# KiCad board MSX USB Drive.kicad_pcb
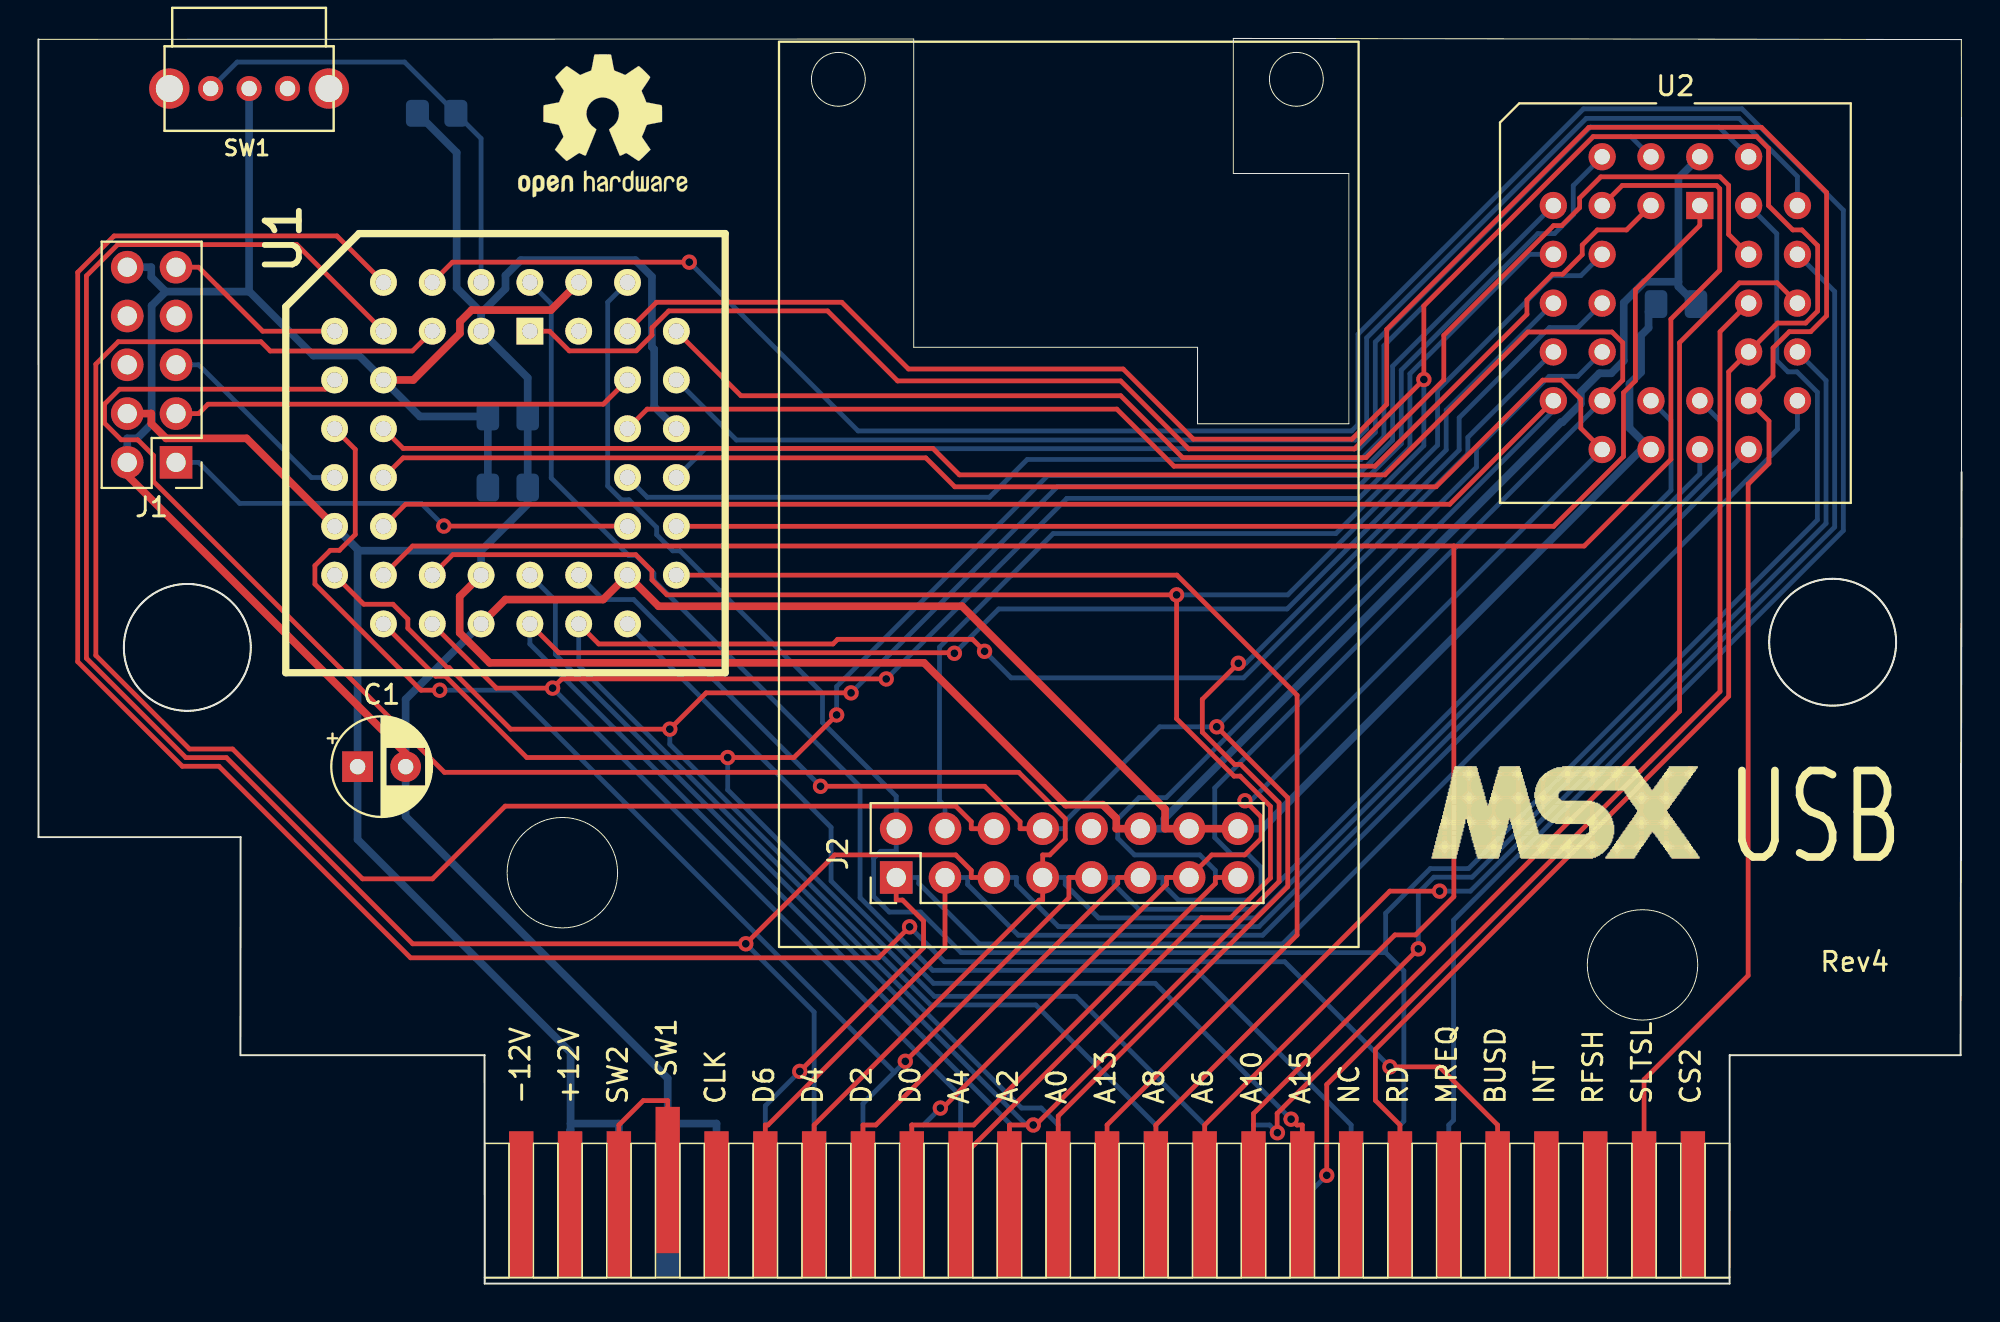
[diagram p0: board, top side]
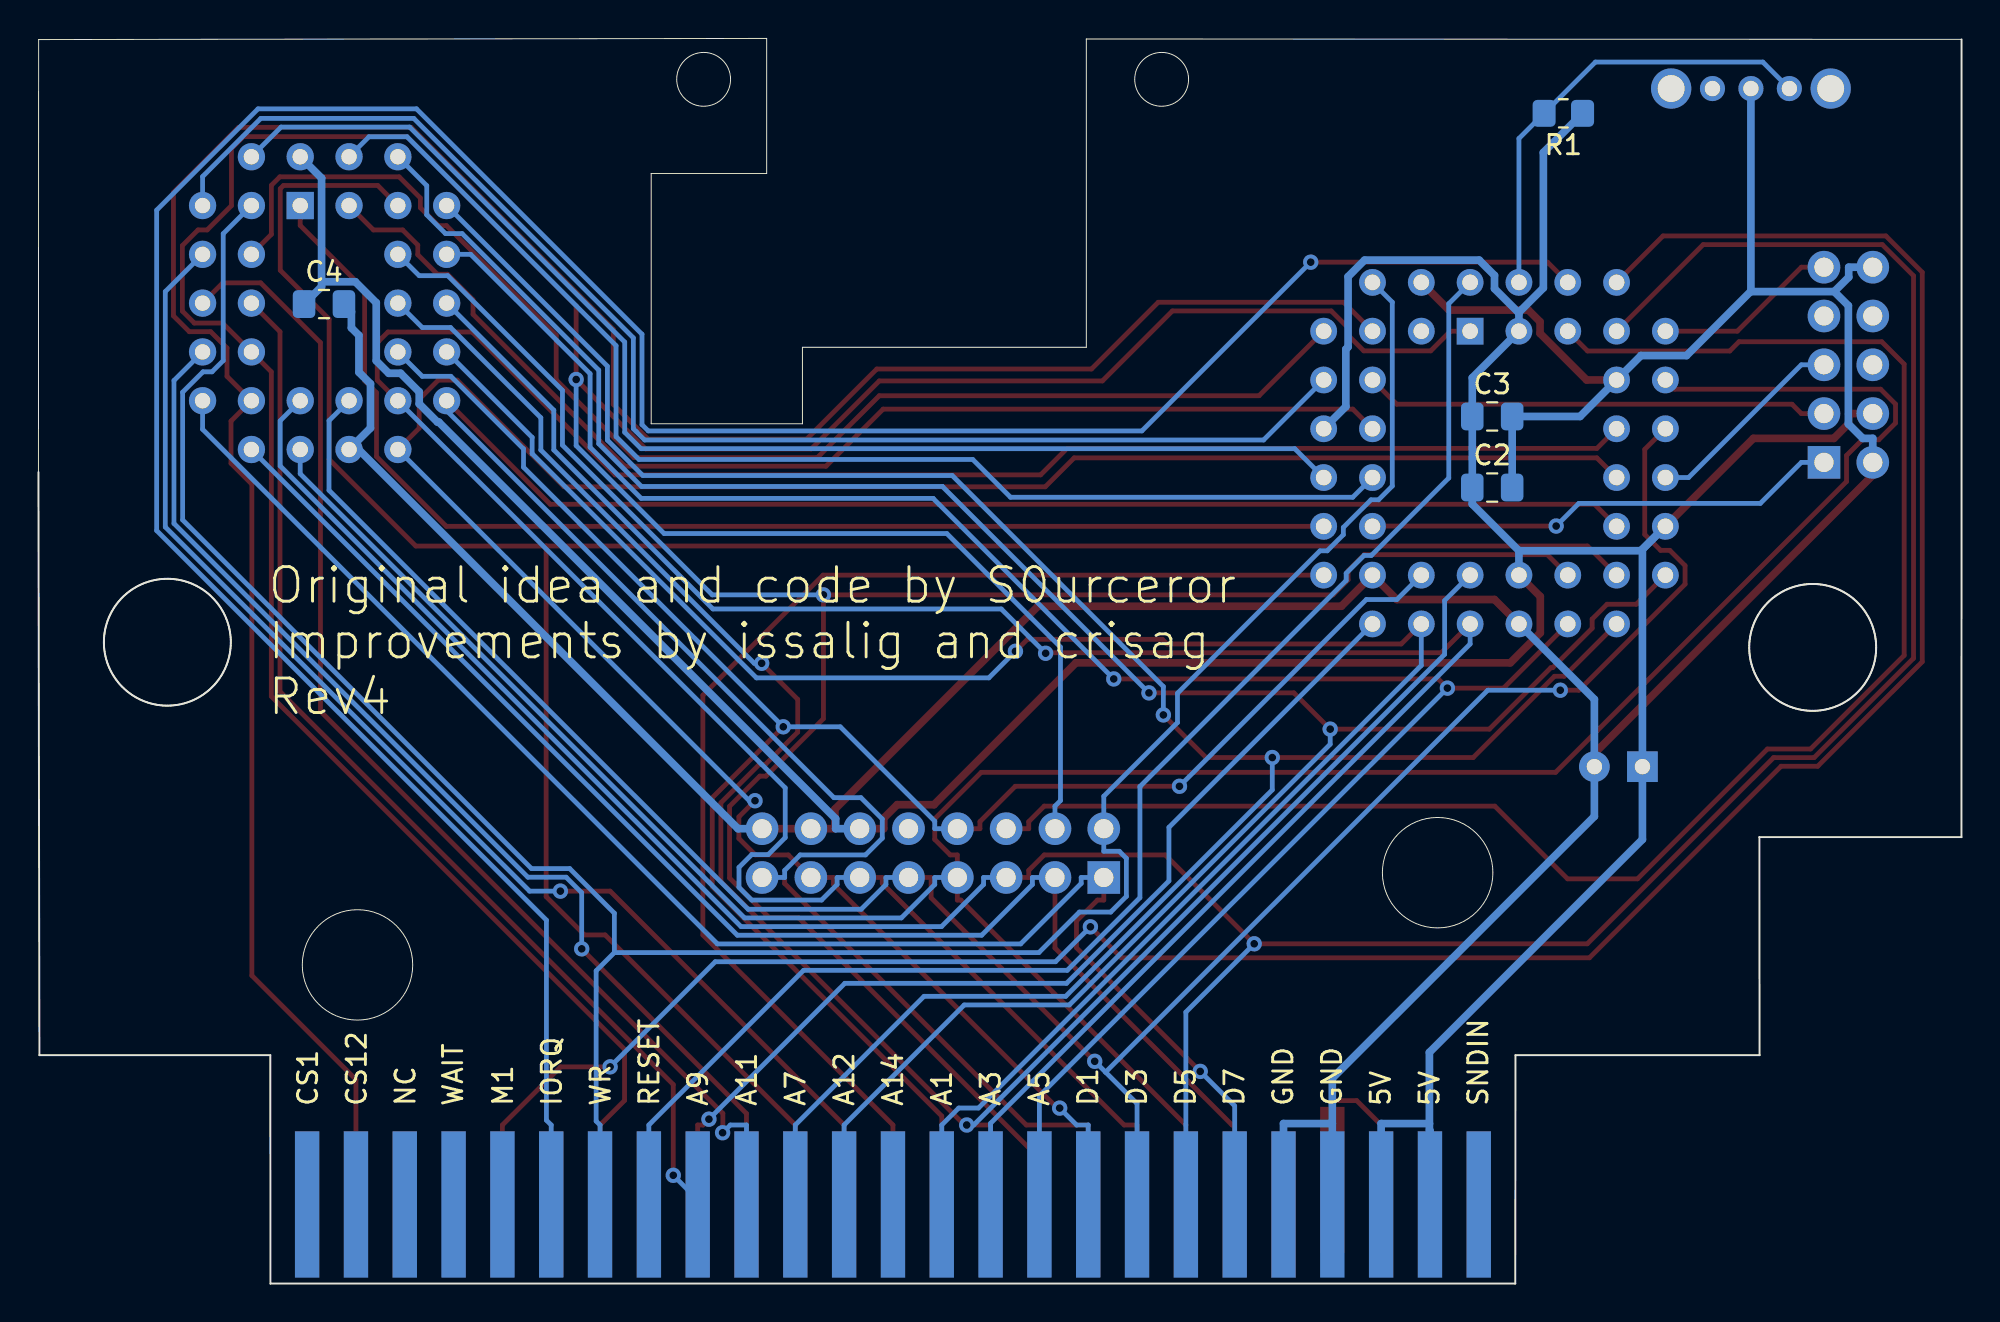
[diagram p1: board, bottom side, seen from below]

Outline 100.06 x 64.82 mm; copper layers: Top, Bottom. Coordinates in mm from the lower left corner of the outline.
Outline path: circle c27.26,21.39 r2.87 ; circle c41.62,62.69 r1.4 ; circle c65.45,62.69 r1.4 ; circle c83.46,16.59 r2.87 ; 0,64.77 0,23.24 10.52,23.24 10.51,11.89 23.21,11.89 23.22,0 87.99,0 88,11.89 100.01,11.89 100.06,42.24 100.05,64.76 62.17,64.82 62.17,57.79 68.18,57.79 68.18,44.76 60.31,44.76 60.31,48.74 45.54,48.74 45.54,64.79 0,64.77 ; 4.44,33.12 4.45,33.2 4.45,33.28 4.45,33.36 4.46,33.44 4.47,33.52 4.48,33.6 4.49,33.68 4.51,33.76 4.52,33.84 4.54,33.92 4.56,34 4.59,34.08 4.61,34.15 4.64,34.23 4.67,34.31 4.7,34.38 4.73,34.46 4.76,34.53 4.8,34.6 4.83,34.67 4.87,34.75 4.91,34.82 4.96,34.88 5,34.95 5.05,35.02 5.09,35.09 5.14,35.15 5.19,35.21 5.25,35.27 5.3,35.34 5.35,35.39 5.41,35.45 5.47,35.51 5.53,35.56 5.59,35.62 5.65,35.67 5.71,35.72 5.78,35.77 5.84,35.82 5.91,35.86 5.98,35.91 6.05,35.95 6.12,35.99 6.19,36.03 6.26,36.07 6.33,36.1 6.41,36.14 6.48,36.17 6.56,36.2 6.63,36.23 6.71,36.25 6.79,36.28 6.87,36.3 6.94,36.32 7.02,36.34 7.1,36.36 7.18,36.37 7.26,36.38 7.34,36.4 7.42,36.4 7.5,36.41 7.58,36.42 7.67,36.42 7.75,36.42 7.83,36.42 7.91,36.42 7.99,36.41 8.07,36.4 8.15,36.4 8.23,36.38 8.31,36.37 8.39,36.36 8.47,36.34 8.55,36.32 8.63,36.3 8.7,36.28 8.78,36.25 8.86,36.23 8.93,36.2 9.01,36.17 9.08,36.14 9.16,36.1 9.23,36.07 9.3,36.03 9.37,35.99 9.44,35.95 9.51,35.91 9.58,35.86 9.65,35.82 9.71,35.77 9.78,35.72 9.84,35.67 9.9,35.62 9.96,35.56 10.02,35.51 10.08,35.45 10.14,35.39 10.19,35.34 10.25,35.27 10.3,35.21 10.35,35.15 10.4,35.09 10.45,35.02 10.49,34.95 10.54,34.88 10.58,34.82 10.62,34.75 10.66,34.67 10.7,34.6 10.73,34.53 10.76,34.46 10.8,34.38 10.83,34.31 10.86,34.23 10.88,34.15 10.91,34.08 10.93,34 10.95,33.92 10.97,33.84 10.98,33.76 11,33.68 11.01,33.6 11.02,33.52 11.03,33.44 11.04,33.36 11.04,33.28 11.05,33.2 11.05,33.12 11.05,33.04 11.04,32.96 11.04,32.88 11.03,32.79 11.02,32.71 11.01,32.63 11,32.55 10.98,32.47 10.97,32.39 10.95,32.32 10.93,32.24 10.91,32.16 10.88,32.08 10.86,32.01 10.83,31.93 10.8,31.85 10.76,31.78 10.73,31.71 10.7,31.63 10.66,31.56 10.62,31.49 10.58,31.42 10.54,31.35 10.49,31.28 10.45,31.22 10.4,31.15 10.35,31.09 10.3,31.02 10.25,30.96 10.19,30.9 10.14,30.84 10.08,30.78 10.02,30.73 9.96,30.67 9.9,30.62 9.84,30.57 9.78,30.51 9.71,30.47 9.65,30.42 9.58,30.37 9.51,30.33 9.44,30.29 9.37,30.25 9.3,30.21 9.23,30.17 9.16,30.13 9.08,30.1 9.01,30.07 8.93,30.04 8.86,30.01 8.78,29.98 8.7,29.96 8.63,29.94 8.55,29.92 8.47,29.9 8.39,29.88 8.31,29.86 8.23,29.85 8.15,29.84 8.07,29.83 7.99,29.82 7.91,29.82 7.83,29.82 7.75,29.82 7.67,29.82 7.58,29.82 7.5,29.82 7.42,29.83 7.34,29.84 7.26,29.85 7.18,29.86 7.1,29.88 7.02,29.9 6.94,29.92 6.87,29.94 6.79,29.96 6.71,29.98 6.63,30.01 6.56,30.04 6.48,30.07 6.41,30.1 6.33,30.13 6.26,30.17 6.19,30.21 6.12,30.25 6.05,30.29 5.98,30.33 5.91,30.37 5.84,30.42 5.78,30.47 5.71,30.51 5.65,30.57 5.59,30.62 5.53,30.67 5.47,30.73 5.41,30.78 5.35,30.84 5.3,30.9 5.25,30.96 5.19,31.02 5.14,31.09 5.09,31.15 5.05,31.22 5,31.28 4.96,31.35 4.91,31.42 4.87,31.49 4.83,31.56 4.8,31.63 4.76,31.71 4.73,31.78 4.7,31.85 4.67,31.93 4.64,32.01 4.61,32.08 4.59,32.16 4.56,32.24 4.54,32.32 4.52,32.39 4.51,32.47 4.49,32.55 4.48,32.63 4.47,32.71 4.46,32.79 4.45,32.88 4.45,32.96 4.45,33.04 4.44,33.12 ; 90.05,33.39 90.05,33.47 90.06,33.55 90.06,33.63 90.07,33.71 90.08,33.79 90.09,33.87 90.1,33.95 90.11,34.03 90.13,34.11 90.15,34.19 90.17,34.27 90.19,34.35 90.22,34.42 90.24,34.5 90.27,34.58 90.3,34.65 90.33,34.73 90.37,34.8 90.4,34.87 90.44,34.94 90.48,35.02 90.52,35.09 90.56,35.15 90.61,35.22 90.65,35.29 90.7,35.36 90.75,35.42 90.8,35.48 90.85,35.54 90.91,35.61 90.96,35.66 91.02,35.72 91.08,35.78 91.14,35.83 91.2,35.89 91.26,35.94 91.32,35.99 91.39,36.04 91.45,36.09 91.52,36.13 91.59,36.18 91.66,36.22 91.73,36.26 91.8,36.3 91.87,36.34 91.94,36.37 92.01,36.41 92.09,36.44 92.16,36.47 92.24,36.5 92.32,36.52 92.39,36.55 92.47,36.57 92.55,36.59 92.63,36.61 92.71,36.63 92.79,36.64 92.87,36.65 92.95,36.67 93.03,36.67 93.11,36.68 93.19,36.69 93.27,36.69 93.35,36.69 93.43,36.69 93.52,36.69 93.6,36.68 93.68,36.67 93.76,36.67 93.84,36.65 93.92,36.64 94,36.63 94.08,36.61 94.16,36.59 94.23,36.57 94.31,36.55 94.39,36.52 94.47,36.5 94.54,36.47 94.62,36.44 94.69,36.41 94.76,36.37 94.84,36.34 94.91,36.3 94.98,36.26 95.05,36.22 95.12,36.18 95.19,36.13 95.25,36.09 95.32,36.04 95.38,35.99 95.45,35.94 95.51,35.89 95.57,35.83 95.63,35.78 95.69,35.72 95.74,35.66 95.8,35.61 95.85,35.54 95.91,35.48 95.96,35.42 96.01,35.36 96.05,35.29 96.1,35.22 96.14,35.15 96.19,35.09 96.23,35.02 96.27,34.94 96.3,34.87 96.34,34.8 96.37,34.73 96.4,34.65 96.43,34.58 96.46,34.5 96.49,34.42 96.51,34.35 96.54,34.27 96.56,34.19 96.57,34.11 96.59,34.03 96.61,33.95 96.62,33.87 96.63,33.79 96.64,33.71 96.65,33.63 96.65,33.55 96.65,33.47 96.65,33.39 96.65,33.31 96.65,33.23 96.65,33.15 96.64,33.06 96.63,32.98 96.62,32.9 96.61,32.82 96.59,32.74 96.57,32.66 96.56,32.59 96.54,32.51 96.51,32.43 96.49,32.35 96.46,32.28 96.43,32.2 96.4,32.12 96.37,32.05 96.34,31.98 96.3,31.9 96.27,31.83 96.23,31.76 96.19,31.69 96.14,31.62 96.1,31.55 96.05,31.49 96.01,31.42 95.96,31.36 95.91,31.29 95.85,31.23 95.8,31.17 95.74,31.11 95.69,31.05 95.63,31 95.57,30.94 95.51,30.89 95.45,30.84 95.38,30.78 95.32,30.74 95.25,30.69 95.19,30.64 95.12,30.6 95.05,30.56 94.98,30.52 94.91,30.48 94.84,30.44 94.76,30.4 94.69,30.37 94.62,30.34 94.54,30.31 94.47,30.28 94.39,30.25 94.31,30.23 94.23,30.21 94.16,30.19 94.08,30.17 94,30.15 93.92,30.13 93.84,30.12 93.76,30.11 93.68,30.1 93.6,30.09 93.52,30.09 93.43,30.09 93.35,30.09 93.27,30.09 93.19,30.09 93.11,30.09 93.03,30.1 92.95,30.11 92.87,30.12 92.79,30.13 92.71,30.15 92.63,30.17 92.55,30.19 92.47,30.21 92.39,30.23 92.32,30.25 92.24,30.28 92.16,30.31 92.09,30.34 92.01,30.37 91.94,30.4 91.87,30.44 91.8,30.48 91.73,30.52 91.66,30.56 91.59,30.6 91.52,30.64 91.45,30.69 91.39,30.74 91.32,30.78 91.26,30.84 91.2,30.89 91.14,30.94 91.08,31 91.02,31.05 90.96,31.11 90.91,31.17 90.85,31.23 90.8,31.29 90.75,31.36 90.7,31.42 90.65,31.49 90.61,31.55 90.56,31.62 90.52,31.69 90.48,31.76 90.44,31.83 90.4,31.9 90.37,31.98 90.33,32.05 90.3,32.12 90.27,32.2 90.24,32.28 90.22,32.35 90.19,32.43 90.17,32.51 90.15,32.59 90.13,32.66 90.11,32.74 90.1,32.82 90.09,32.9 90.08,32.98 90.07,33.06 90.06,33.15 90.06,33.23 90.05,33.31 90.05,33.39
Stack: Top 0.035mm / dielectric 1.51mm FR4 er 4.5 / Bottom 0.035mm

## Placement (name value [footprint] x y rotation side)
C1  100 uF  [CP_Radial_D5.0mm_P2.50mm]  16.6 26.91 0 top
C2  0.1 uF  [C_0805_2012Metric_Pad1.18x1.45mm_HandSolder]  24.42 41.44 180 bottom
C3  0.1 uF  [C_0805_2012Metric_Pad1.18x1.45mm_HandSolder]  24.42 45.14 180 bottom
C4  0.1 uF  [C_0805_2012Metric_Pad1.18x1.45mm_HandSolder]  85.2 50.99 180 bottom
EDG1  MSX_CON  [msx-con-MSXCART]  51.79 40.95 0 top
J1  AVR-JTAG-10  [PinHeader_2x05_P2.54mm_Vertical]  7.16 42.75 180 top
J2  Conn_02x08_Odd_Even  [PinHeader_2x08_P2.54mm_Vertical]  44.63 21.14 90 top
LOGO_MSX  -  [LOGO_MSX]  71.43 27.83 0 top
R1  4K7  [R_0805_2012Metric_Pad1.20x1.40mm_HandSolder]  20.72 60.92 0 bottom
REF**  -  [OSHW-Logo2_9.8x8mm_SilkScreen]  29.36 60.28 0 top
SW1  -  [SK12D07VG4]  10.96 62.21 180 top
U1  EPM7032_7064  [PLCC44]  24.3 43.23 270 top
U2  AM29f040  [PLCC-32_THT-Socket]  86.44 56.12 0 top

## Footprints (pads in the part's own frame, mm; a bottom-side part is the same pattern mirrored in y, then rotated)
C_0805_2012Metric_Pad1.18x1.45mm_HandSolder
  rrect 1.175x1.45 smd: 1(-1.038,0) 2(1.038,0)
CP_Radial_D5.0mm_P2.50mm
  rect 1.6x1.6 hole 0.8: 1(0,0)
  round 1.6 hole 0.8: 2(2.5,0)
msx-con-MSXCART
  rect 1.27x7.62 smd far side: +5V1(-24.13,-36.83) +5V2(-21.59,-36.83) /CS1(34.29,-36.83) /CS12(31.75,-36.83) /IORQ(21.59,-36.83) /M1(24.13,-36.83) /RESET(16.51,-36.83) /RESV2(29.21,-36.83) /WAIT(26.67,-36.83) /WR(19.05,-36.83) A1(1.27,-36.83) A3(-1.27,-36.83) A5(-3.81,-36.83) A7(8.89,-36.83) A9(13.97,-36.83) A11(11.43,-36.83) A12(6.35,-36.83) A14(3.81,-36.83) D1(-6.35,-36.83) D3(-8.89,-36.83) D5(-11.43,-36.83) D7(-13.97,-36.83) GND1(-19.05,-36.83) GND2(-16.51,-36.83) SOUNDIN(-26.67,-36.83)
  rect 1.27x7.62 smd: +12V(-24.13,-36.83) -12V(-26.67,-36.83) /BUSDIR(24.13,-36.83) /CS2(34.29,-36.83) /INT(26.67,-36.83) /MREQ(21.59,-36.83) /RD(19.05,-36.83) /RESV1(16.51,-36.83) /RFSH(29.21,-36.83) /SLTSL(31.75,-36.83) A0(1.27,-36.83) A2(-1.27,-36.83) A4(-3.81,-36.83) A6(8.89,-36.83) A8(6.35,-36.83) A10(11.43,-36.83) A13(3.81,-36.83) A15(13.97,-36.83) CLOCK(-16.51,-36.83) D0(-6.35,-36.83) D2(-8.89,-36.83) D4(-11.43,-36.83) D6(-13.97,-36.83) SW1(-19.05,-35.56) SW2(-21.59,-36.83)
PinHeader_2x05_P2.54mm_Vertical
  rect 1.7x1.7 hole 1: 1(0,0)
  oval 1.7x1.7 hole 1: 2(2.54,0) 3(0,-2.54) 4(2.54,-2.54) 5(0,-5.08) 6(2.54,-5.08) 7(0,-7.62) 8(2.54,-7.62) 9(0,-10.16) 10(2.54,-10.16)
PinHeader_2x08_P2.54mm_Vertical
  rect 1.7x1.7 hole 1: 1(0,0)
  oval 1.7x1.7 hole 1: 2(2.54,0) 3(0,-2.54) 4(2.54,-2.54) 5(0,-5.08) 6(2.54,-5.08) 7(0,-7.62) 8(2.54,-7.62) 9(0,-10.16) 10(2.54,-10.16) 11(0,-12.7) 12(2.54,-12.7) 13(0,-15.24) 14(2.54,-15.24) 15(0,-17.78) 16(2.54,-17.78)
PLCC44
  rect 1.397x1.397 hole 0.813: 1(-6.35,1.27)
  round 1.397 hole 0.813: 2(-8.89,-1.27) 3(-6.35,-1.27) 4(-8.89,-3.81) 5(-6.35,-3.81) 6(-8.89,-6.35) 7(-6.35,-8.89) 8(-6.35,-6.35) 9(-3.81,-8.89) 10(-3.81,-6.35) 11(-1.27,-8.89) 12(-1.27,-6.35) 13(1.27,-8.89) 14(1.27,-6.35) 15(3.81,-8.89) 16(3.81,-6.35) 17(6.35,-8.89) 18(8.89,-6.35) 19(6.35,-6.35) 20(8.89,-3.81) 21(6.35,-3.81) 22(8.89,-1.27) 23(6.35,-1.27) 24(8.89,1.27) 25(6.35,1.27) 26(8.89,3.81) 27(6.35,3.81) 28(8.89,6.35) 29(6.35,8.89) 30(6.35,6.35) 31(3.81,8.89) 32(3.81,6.35) 33(1.27,8.89) 34(1.27,6.35) 35(-1.27,8.89) 36(-1.27,6.35) 37(-3.81,8.89) 38(-3.81,6.35) 39(-6.35,8.89) 40(-8.89,6.35) 41(-6.35,6.35) 42(-8.89,3.81) 43(-6.35,3.81) 44(-8.89,1.27)
PLCC-32_THT-Socket
  rect 1.422x1.422 hole 0.8: 1(0,0)
  round 1.422 hole 0.8: 2(-2.54,2.54) 3(-2.54,0) 4(-5.08,2.54) 5(-7.62,0) 6(-5.08,0) 7(-7.62,-2.54) 8(-5.08,-2.54) 9(-7.62,-5.08) 10(-5.08,-5.08) 11(-7.62,-7.62) 12(-5.08,-7.62) 13(-7.62,-10.16) 14(-5.08,-12.7) 15(-5.08,-10.16) 16(-2.54,-12.7) 17(-2.54,-10.16) 18(0,-12.7) 19(0,-10.16) 20(2.54,-12.7) 21(5.08,-10.16) 22(2.54,-10.16) 23(5.08,-7.62) 24(2.54,-7.62) 25(5.08,-5.08) 26(2.54,-5.08) 27(5.08,-2.54) 28(2.54,-2.54) 29(5.08,0) 30(2.54,2.54) 31(2.54,0) 32(0,2.54)
R_0805_2012Metric_Pad1.20x1.40mm_HandSolder
  rrect 1.2x1.4 smd: 1(-1,0) 2(1,0)
SK12D07VG4
  round 1.308 hole 0.8: 1(-2,0) 2(2,0) COM(0,0)
  round 2.1 hole 1.4: M1(-4.15,0) M2(4.15,0)

## Nets
+12V: EDG1.+12V
-12V: EDG1.-12V
GND: C1.2 C2.2 C3.2 C4.2 EDG1.GND1 EDG1.GND2 J1.2 J1.10 J2.14 J2.16 SW1.COM U1.10 U1.22 U1.30 U1.42 U2.16
VCC: C1.1 C2.1 C3.1 C4.1 EDG1.+5V1 EDG1.+5V2 J1.4 J2.12 R1.1 U1.3 U1.15 U1.23 U1.35 U2.32
A0: EDG1.A0 J2.8 U1.27 U2.12
A1: EDG1.A1 U1.26 U2.11
A2: EDG1.A2 U1.25 U2.10
A3: EDG1.A3 U1.24 U2.9
A4: EDG1.A4 U1.21 U2.8
A5: EDG1.A5 U1.20 U2.7
A6: EDG1.A6 U1.19 U2.6
A7: EDG1.A7 U1.18 U2.5
A8: EDG1.A8 U2.27
A9: EDG1.A9 U2.26
A10: EDG1.A10 U2.23
A11: EDG1.A11 U2.25
A12: EDG1.A12 U1.17 U2.4
A13: EDG1.A13 U1.29
A14: EDG1.A14
A15: EDG1.A15 U1.28
BUSDIR_: EDG1./BUSDIR U1.6
CLOCK: EDG1.CLOCK
CS1: EDG1./CS1
CS2: EDG1./CS2
CS12: EDG1./CS12
CS_: J2.6 U1.5
D0: EDG1.D0 J2.15 U1.16 U2.13
D1: EDG1.D1 J2.13 U1.14 U2.14
D2: EDG1.D2 J2.11 U1.12 U2.15
D3: EDG1.D3 J2.9 U1.11 U2.17
D4: EDG1.D4 J2.7 U1.9 U2.18
D5: EDG1.D5 J2.5 U1.8 U2.19
D6: EDG1.D6 J2.3 U2.20
D7: EDG1.D7 J2.1 U2.21
INT: EDG1./INT
IORQ_: EDG1./IORQ U1.4
M1: EDG1./M1
MA13: U1.39 U2.28
MA14: U1.37 U2.29
MA15: U1.36 U2.3
MA16: U1.34 U2.2
MA17: U1.33 U2.30
MA18: U1.31 U2.1
MREQ: EDG1./MREQ
RD_: EDG1./RD J2.4 U1.1 U2.24
RESET_: EDG1./RESET U1.44
RFSH: EDG1./RFSH
SEL_F1F2: R1.2 SW1.2 U1.2
SLTSL_: EDG1./SLTSL U1.41 U2.22
SOUNDIN: EDG1.SOUNDIN
SW1: EDG1.SW1 EDG1.SW2
TCK: J1.1 U1.32
TDI: J1.9 U1.7
TDO: J1.3 U1.38
TMS: J1.5 U1.13
WAIT: EDG1./WAIT
WR_: EDG1./WR J2.2 U1.40 U2.31

Pads without a net: EDG1 /RESV1 /RESV2; J1 6 7 8; J2 10; SW1 1 M1 M2; U1 43

## Via types
v1: diameter 0.8, hole 0.4, Top to Bottom, 29 vias

## Routing (per net, layer and track width the routed paths; a pad name or vN(x,y) marks a point on that pad's centre or on a via; arc(x,y) is an arc through that point)
GND: length 209.9
  Top w0.4: J2.16 J2.14 58.62,23.68 58.62,24.7 48.05,35.26 32.27,35.26 U1.30 29.38,35.61 24.3,35.61 U1.22 ; C1.2 19.1,27.6 4.62,42.08 J1.2 ; U1.10 19.51,47.04 21.93,49.46 21.93,50.07 22.54,50.68 26.67,50.68 U1.42
  Bottom w0.4: C4.2 83.78,50.6 83.78,49.75 83.38,49.36 83.38,47.44 82.78,46.84 82.78,44.54 83.65,43.67 ; SW1.COM 10.96,51.66 ; 10.96,51.66 14.31,48.31 16.68,48.31 U1.10 19.85,45.14 C3.2 C2.2 ; 10.96,51.66 10.94,51.64 6.62,51.64 ; J1.10 5.87,52.91 5.87,52.39 6.62,51.64 ; 32.74,8.33 35.28,8.33 EDG1.GND2 ; 32.74,8.33 EDG1.GND1 ; 32.74,8.33 32.74,10.68 19.1,24.32 C1.2 19.1,30.41 U1.22 ; 6.62,51.64 5.89,50.91 5.89,44.75 5.14,44 4.62,44 J1.2 ; 83.65,43.67 U2.16 ; 83.65,43.67 63.66,23.68 J2.16
VCC: length 209.6
  Top w0.4: J2.12 56.08,23.68 56.08,24.23 55.38,24.93 53.46,24.93 46.08,32.32 23.48,32.32 21.92,33.87 21.92,35.77 U1.23 ; U1.15 10.83,44 6.64,44 5.87,44.77 5.87,45.29 J1.4
  Bottom w0.4: U1.35 32.04,45.65 32.04,48.64 31.92,48.76 31.92,52.42 31.06,53.28 25.1,53.28 24.3,52.48 24.3,51.79 23.05,50.54 ; 85.33,52.15 83.57,52.15 82.48,51.06 82.48,48.04 81.83,47.39 81.22,47.39 80.25,46.42 80.25,45.8 79.3,44.85 79.23,44.85 58.58,24.2 58.58,23.68 J2.12 ; 85.33,52.15 85.33,51.9 C4.1 ; 85.33,52.15 85.33,57.55 U2.32 ; 27.69,8.33 27.69,12.04 16.6,23.12 16.6,38.23 U1.15 16.68,38.15 23.03,38.15 ; 27.69,8.33 30.2,8.33 EDG1.+5V2 ; 27.69,8.33 27.69,7.99 27.66,7.96 EDG1.+5V1 ; 23.03,38.15 25.46,40.58 C2.1 C3.1 25.46,47.15 U1.3 23.03,50.52 23.05,50.54 ; 23.03,38.15 U1.23 ; 23.05,50.54 21.76,51.83 21.76,58.88 R1.1
A0: length 101.3
  Top w0.25: v1(40.69,25.89) 49.23,25.89 51.07,24.05 51.07,23.68 J2.8 ; v1(61.31,28.98) 65,25.29 65,20.66 53.06,8.72 EDG1.A0
  Bottom w0.25: v1(40.69,25.89) 30.97,35.61 29.38,35.61 U1.27 ; U2.12 80.09,47.23 78.6,47.23 74.82,43.45 74.82,42.5 v1(61.31,28.98) 58.34,28.98 53.43,24.07 53.43,23.68 J2.8
A1: length 100.8
  Top w0.25: v1(49.23,32.91) 48.6,33.54 41.58,33.54 41.34,33.3 29.15,33.3 U1.26
  Bottom w0.25: U1.26 28.11,32.18 51.15,9.14 52.18,9.14 53.06,8.26 EDG1.A1 ; v1(49.23,32.91) 50.61,31.53 62.7,31.53 74.37,43.2 74.37,44.05 U2.11
A2: length 104.8
  Top w0.25: v1(62.43,32.29) 60.56,30.42 60.56,28.71 62.24,27.03 62.55,27.03 64.55,25.03 64.55,20.93 51.88,8.26 v1(51.76,8.26) 50.52,8.26 EDG1.A2
  Bottom w0.25: v1(51.76,8.26) 51.4,8.26 26.9,32.76 26.9,35.55 U1.25 ; U2.10 80.09,49.77 78.62,49.77 73.92,45.07 73.92,43.39 62.82,32.29 v1(62.43,32.29)
A3: length 103.2
  Top w0.25: v1(47.66,32.81) 47.63,32.84 27.07,32.84 U1.24
  Bottom w0.25: U2.9 73.25,45.47 73.25,43.4 64.97,35.12 49.96,35.12 v1(47.66,32.81) ; EDG1.A3 50.52,8.34 25.57,33.29 U1.24
A4: length 113
  Top w0.25: U1.21 21.56,37.95 31.08,37.95 31.92,37.1 31.92,36.63 32.7,35.85 v1(59.22,35.85) 59.22,29.41 62.21,26.42 62.53,26.42 64.1,24.84 64.1,21.11 62.03,19.05 60.51,19.05 47.98,6.51 EDG1.A4
  Bottom w0.25: v1(59.22,35.85) 65,35.85 72.8,43.65 72.8,46.5 78.76,52.47 80.25,52.47 U2.8
A5: length 107
  Top w0.25: v1(44.11,31.48) 27.23,31.48 v1(26.75,31) 23.83,31 U1.20
  Bottom w0.25: v1(26.75,31) 47.98,9.77 EDG1.A5 ; U2.7 77.57,53.58 71.36,47.36 71.36,43.53 68.7,40.87 53.51,40.87 v1(44.11,31.48)
A6: length 131.5
  Top w0.25: 73.64,38.39 73.64,20.14 71.65,18.15 70.58,18.15 60.68,8.26 EDG1.A6 ; 73.64,38.39 73.64,38.4 19.47,38.4 U1.19 ; 73.64,38.39 80.42,38.39 84.94,42.91 84.94,50.21 87.48,52.75 87.48,57 87.31,57.16 82.4,57.16 U2.6
A7: length 116.6
  Top w0.25: v1(41.53,29.6) 39.31,27.38 v1(35.86,27.38) 25.41,27.38 21.18,31.61 20.68,31.61 U1.18
  Bottom w0.25: U2.5 70.46,47.76 70.46,43.91 68.61,42.07 52.52,42.07 41.53,31.08 v1(41.53,29.6) ; v1(35.86,27.38) 35.86,25.7 46.61,14.95 53.98,14.95 60.68,8.26 EDG1.A7
A8: length 67.3
  Top w0.25: v1(72.9,20.43) 70.31,20.43 58.14,8.26 EDG1.A8
  Bottom w0.25: v1(72.9,20.43) 74.5,20.43 93.46,39.38 93.46,51.64 U2.27
A9: length 56.5
  Top w0.25: v1(67.03,5.64) 67.03,10.36 87.49,30.82 87.49,49.55 U2.26
  Bottom w0.25: v1(67.03,5.64) 65.76,4.37 EDG1.A9
A10: length 58.5
  Top w0.25: v1(71.79,17.43) 63.22,8.85 EDG1.A10
  Bottom w0.25: U2.23 93.01,47.01 93.01,39.57 74.59,21.15 72.6,21.15 71.79,20.35 v1(71.79,17.43)
A11: length 63.2
  Top w0.25: v1(64.46,7.85) 64.45,7.87 64.45,8.86 85.39,29.8 85.39,48.98 88.5,52.1 90.46,52.1 U2.25
  Bottom w0.25: EDG1.A11 63.22,8.26 64.06,8.26 v1(64.46,7.85)
A12: length 123.4
  Top w0.25: v1(42.28,30.75) 34.74,30.75 v1(32.85,28.86) 24.57,28.86 21.37,32.06 21.27,32.06 19.22,34.11 19.22,34.59 18.45,35.36 16.93,35.36 U1.17
  Bottom w0.25: EDG1.A12 58.14,8.26 51.89,14.5 46.42,14.5 32.85,28.08 v1(32.85,28.86) ; U2.4 79.86,57.16 79.86,55.64 78.88,54.66 78.02,54.66 70.91,47.55 70.91,43.72 68.68,41.5 53.03,41.5 v1(42.28,30.75)
A13: length 65.5
  Top w0.25: EDG1.A13 55.6,8.26 65.49,18.14 65.49,30.63 59.24,36.88 U1.29
A15: length 51.7
  Top w0.25: v1(65.17,8.56) 65.48,8.26 65.76,8.26 EDG1.A15
  Bottom w0.25: U1.28 41.24,23.75 41.24,20.96 46.57,15.63 58.1,15.63 v1(65.17,8.56)
BUSDIR_: length 127.3
  Top w0.25: v1(70.32,11.28) 72.89,11.28 75.92,8.26 EDG1./BUSDIR ; v1(45.33,18.57) 43.72,16.96 19.36,16.96 9.39,26.93 7.48,26.93 2.04,32.37 2.04,52.64 3.94,54.54 15.53,54.54 U1.6
  Bottom w0.25: v1(45.33,18.57) 47.14,16.76 64.84,16.76 v1(70.32,11.28)
CS_: length 87.6
  Top w0.25: U1.5 19.46,48.55 12.06,48.55 11.58,49.03 4.15,49.03 2.99,47.86 2.99,32.7 7.86,27.83 10.1,27.83 16.86,21.07 20.5,21.07 24.29,24.86 47.73,24.86 48.53,24.05 48.53,23.68 J2.6
D0: length 130.5
  Top w0.25: EDG1.D0 45.44,8.26 48.66,8.26 61.23,20.83 61.23,21.14 J2.15 ; U2.13 73.43,40.57 19.1,40.57 U1.16
  Bottom w0.25: U2.13 78.82,45.44 58.67,25.3 57.27,25.3 56.15,24.18 56.15,23.19 57.03,22.32 60.43,22.32 61.23,21.51 61.23,21.14 J2.15
D1: length 126.3
  Top w0.25: U2.14 80.25,44.53 80.25,46.04 79.25,47.03 78.27,47.03 72.72,41.48 47.67,41.48 46.17,42.98 18.97,42.98 U1.14 ; v1(46.93,9.14) 47.04,9.14 58.69,20.79 58.69,21.14 J2.13 61.05,22.32 62.76,22.32 63.62,23.17 63.62,24.3 v1(62.78,25.13)
  Bottom w0.25: EDG1.D1 45.44,8.26 46.05,8.26 v1(46.93,9.14) ; v1(62.78,25.13) 63.07,25.13 U2.14
D2: length 138.8
  Top w0.25: J2.11 56.15,21.14 56.15,20.84 43.57,8.26 42.9,8.26 EDG1.D2 ; U1.12 18.97,43.48 46.54,43.48 47.92,42.1 70.05,42.1 77.49,49.54 81.87,49.54 82.43,48.98 82.43,47.03 U2.15
  Bottom w0.25: U2.15 61.2,25.8 61.2,23.22 62.09,22.33 62.94,22.33 63.61,21.67 63.61,20.63 62.95,19.96 59.31,19.96 58.51,20.77 58.51,21.14 J2.11
D3: length 118.2
  Top w0.25: v1(45.1,11.57) 53.61,20.08 53.61,21.14 J2.9 ; v1(20.88,30.89) 19.91,30.89 14.39,36.41 14.39,37.38 15.18,38.17 15.66,38.17 16.48,39 16.48,43.43 U1.11
  Bottom w0.25: J2.9 55.97,21.14 55.97,20.77 57.25,19.49 63.13,19.49 84.94,41.3 84.94,44.92 U2.17 ; 44.54,11 24.65,30.89 v1(20.88,30.89) ; 44.54,11 v1(45.1,11.57) ; 44.54,11 42.9,9.37 EDG1.D3
D4: length 144.7
  Top w0.25: U1.9 14.93,46.56 4.21,46.56 3.44,45.78 3.44,44.8 4.31,43.93 5.17,43.93 5.98,43.11 5.98,41.75 21.12,26.61 51.01,26.61 53.43,24.2 53.43,23.12 52.62,22.32 52.25,22.32 J2.7 52.25,19.96 52.07,19.96 40.36,8.26 EDG1.D4
  Bottom w0.25: J2.7 53.43,21.14 53.43,20.77 55.16,19.03 63.32,19.03 86.44,42.16 U2.18
D5: length 161.7
  Top w0.25: J2.5 48.53,21.14 48.53,21.51 47.73,22.32 41.43,22.32 v1(36.8,17.69) 19.47,17.69 9.78,27.38 7.67,27.38 2.5,32.55 2.5,52.46 4.12,54.09 13.44,54.09 U1.8
  Bottom w0.25: v1(36.8,17.69) 40.36,14.13 EDG1.D5 ; J2.5 50.89,21.14 50.89,20.77 53.07,18.58 63.5,18.58 87.48,42.56 87.48,44.92 U2.19
D6: length 74.7
  Top w0.25: J2.3 47.17,17.47 37.96,8.26 37.82,8.26 EDG1.D6
  Bottom w0.25: U2.20 63.69,18.13 50.98,18.13 48.35,20.77 48.35,21.14 J2.3
D7: length 82.3
  Top w0.25: J2.1 44.63,19.96 44.96,19.96 46.05,18.87 46.05,17.48 v1(39.61,11.05)
  Bottom w0.25: EDG1.D7 37.82,9.25 v1(39.61,11.05) ; U2.21 91.52,44.47 64.73,17.68 48.95,17.68 45.81,20.83 45.81,21.14 J2.1
IORQ_: length 149.6
  Top w0.25: U1.4 21.54,53.17 v1(33.86,53.17)
  Bottom w0.25: v1(33.86,53.17) 42.65,44.39 68.33,44.39 68.66,44.71 68.66,49.42 80.39,61.15 88.63,61.15 93.91,55.88 93.91,39.2 73.63,18.92 73.63,8.5 73.38,8.26 EDG1./IORQ
MA13: length 69.4
  Top w0.25: U1.39 36.55,46.22 56.31,46.22 59.53,43 69.08,43 73.12,47.04 73.12,49.36 78.83,55.08 79.26,55.08 80.19,56.01 80.19,56.51 81.29,57.61 87.5,57.61 87.94,57.17 87.94,54.62 U2.28
MA14: length 72.1
  Bottom w0.25: U2.29 91.52,57.63 88.49,60.66 80.53,60.66 69.11,49.23 69.11,44.5 68.52,43.91 36.32,43.91 U1.37
MA15: length 61.3
  Top w0.25: U1.36 31.67,45.52 56.11,45.52 59.08,42.55 69.54,42.55 77.45,50.46 77.45,51.21 78.78,52.54 79.3,52.54 80.32,53.56 80.32,54.06 81.11,54.85 82.63,54.85 U2.3
MA16: length 64.7
  Bottom w0.25: U2.2 82.86,59.7 80.88,59.7 70.01,48.83 70.01,44.09 68.81,42.9 51.45,42.9 49.48,40.93 31.68,40.93 U1.34
MA17: length 66.7
  Bottom w0.25: U1.33 34.69,43.46 68.7,43.46 69.56,44.32 69.56,49.01 80.75,60.21 87.43,60.21 U2.30
MA18: length 65.5
  Top w0.25: U1.31 78.84,39.42 82.47,43.05 82.47,46.38 83.09,47 83.09,51.73 86.44,55.08 U2.1
RD_: length 188
  Top w0.25: U1.1 26.59,49.58 27.62,48.56 31.11,48.56 31.92,49.37 31.92,49.76 32.8,50.63 41.06,50.63 44.7,46.99 56.31,46.99 59.85,43.45 68.47,43.45 v1(72.08,47.06) 72.08,47.06 72.08,50.9 80.9,59.71 89.4,59.71 90.02,59.09 90.02,56.11 91.28,54.85 91.76,54.85 92.57,54.03 92.57,50.62 91.95,50 90.48,50 U2.24 87.94,47.46 87.94,30.57 69.56,12.19 69.56,9.53 70.84,8.26 EDG1./RD
  Bottom w0.25: J2.4 47.17,24.86 46.88,25.14 46.88,33.13 52.8,39.04 67.5,39.04 72.08,43.62 v1(72.08,47.06)
RESET_: length 74
  Bottom w0.25: EDG1./RESET 68.3,8.26 60.25,16.31 46.53,16.31 42.75,20.09 42.75,25.87 32.02,36.6 32.02,36.97 31.09,37.9 30.71,37.9 26.68,41.93 26.68,51.01 U1.44
SEL_F1F2: length 23.8
  Bottom w0.25: U1.2 23.03,59.61 R1.2 19.05,63.59 10.34,63.59 SW1.2
SLTSL_: length 134.5
  Top w0.25: EDG1./SLTSL 83.54,10.62 88.96,16.04 88.96,41.61 90.04,42.7 90.04,44.9 U2.22 90.25,47.23 90.25,48.71 91.1,49.55 92.21,49.55 93.04,50.38 93.04,56.8 89.65,60.19 80.67,60.19 70.15,49.67 70.15,45.77 68.34,43.96 60.09,43.96 56.44,47.61 45.27,47.61 41.8,51.08 32.15,51.08 U1.41
SW1: length 11.3
  Top w0.25: EDG1.SW1 32.74,9.53 31.47,9.53 30.2,8.26 EDG1.SW2
TCK: length 24.9
  Top w0.25: v1(21.09,39.44) 30.63,39.44 U1.32
  Bottom w0.25: J1.1 8.34,42.75 10.47,40.61 19.92,40.61 v1(21.09,39.44)
TDI: length 9.6
  Top w0.25: J1.9 8.34,52.91 11.67,49.58 U1.7
TDO: length 24.2
  Top w0.25: J1.3 8.34,45.29 8.82,45.78 29.39,45.78 U1.38
TMS: length 10.7
  Bottom w0.25: J1.5 8.34,47.83 14.21,41.96 U1.13
WR_: length 132.6
  Bottom w0.25: U1.40 29.62,51.09 29.62,41.52 30.33,40.8 30.73,40.8 32.17,39.36 32.17,38.98 33,38.15 33.38,38.15 40.8,30.73 40.8,29.21 44.63,25.37 J2.2 44.63,22.5 43.82,22.5 43.45,22.14 43.45,20.16 44.27,19.34 45.9,19.34 48.01,17.23 70.09,17.23 ; 70.09,17.23 70.09,19.28 72.42,21.6 74.41,21.6 92.56,39.76 92.56,46.4 91.5,47.46 91.03,47.46 90.44,48.05 90.44,54.66 U2.31 ; 70.09,17.23 71.04,16.28 71.04,8.46 70.84,8.26 EDG1./WR

## Text on the board
B.Silkscreen: SNDIN | 5V | GND | D7 | D5 | D3 | D1 | A5 | A3 | A1 | A14 | A12 | A7 | A11 | A9 | RESET | WR | IORQ | M1 | WAIT | NC | CS12 | CS1 | Original idea and code by S0urceror / Improvements by issalig and crisag / Rev4
F.Silkscreen: Rev4 | -12V | +12V | SW2 | SW1 | CLK | D6 | D4 | D2 | D0 | A4 | A2 | A0 | A13 | A8 | A6 | A10 | A15 | NC | RD | MREQ | BUSD | INT | RFSH | SLTSL | CS2 | USB
